# Altium PCB Mainboard.PcbDoc (part 1 of 2)
Units mm, origin at the board's own origin, x right, y up, seen from the top; angles counter-clockwise.
Board outline 100 x 200 mm, 2 copper layers (Top Layer, Bottom Layer); 139 components, 82 nets, 458 pads, 0 vias.
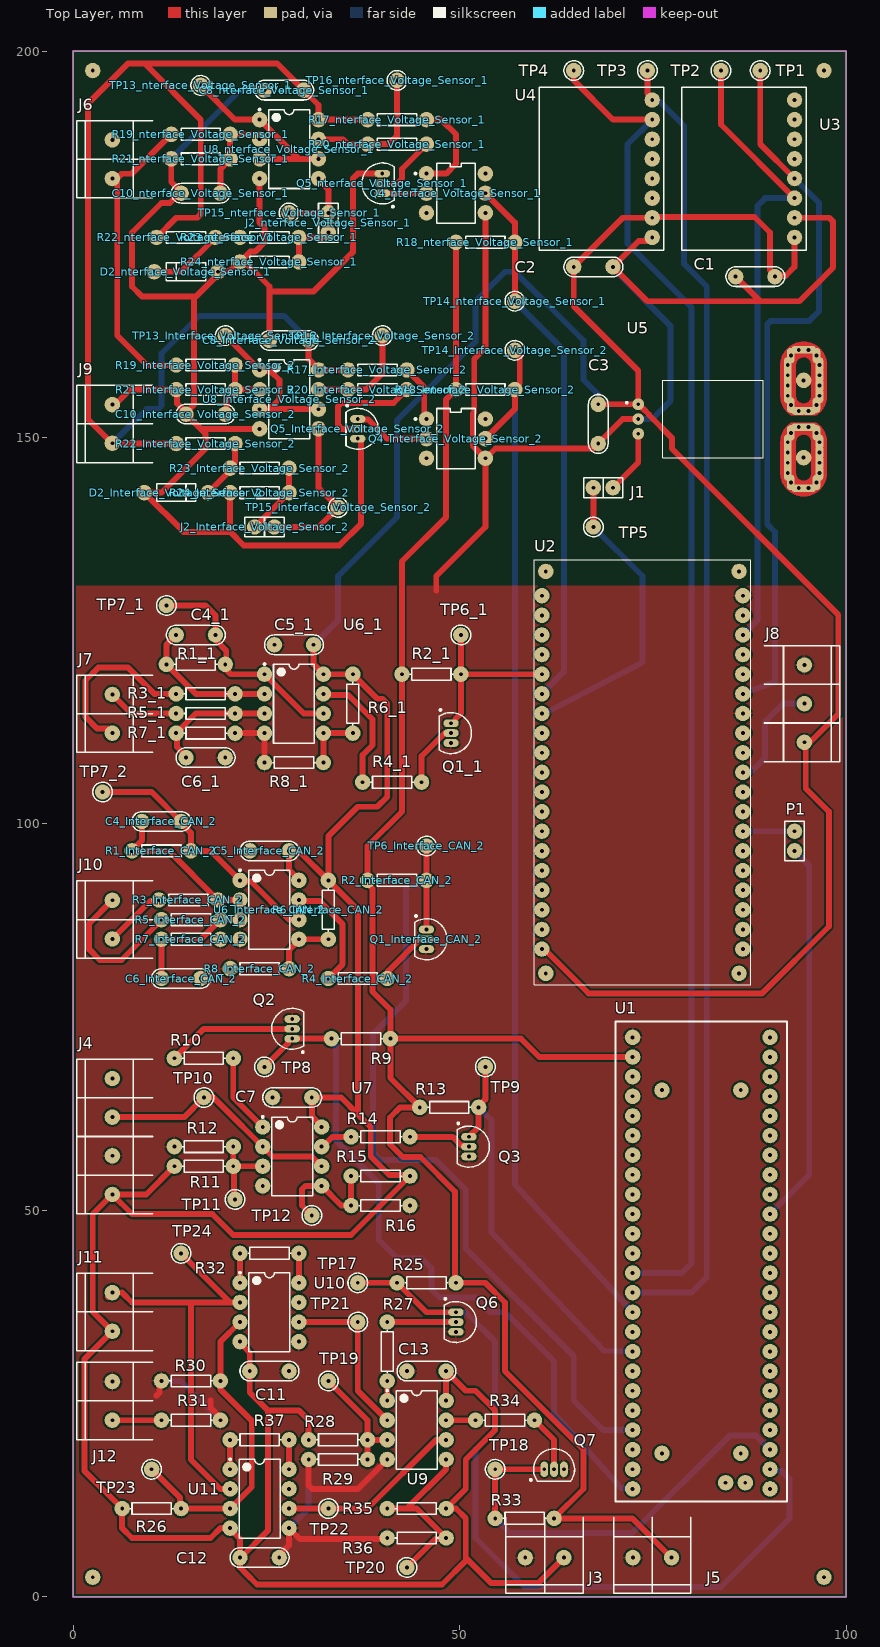
[diagram p0: Top Layer view]
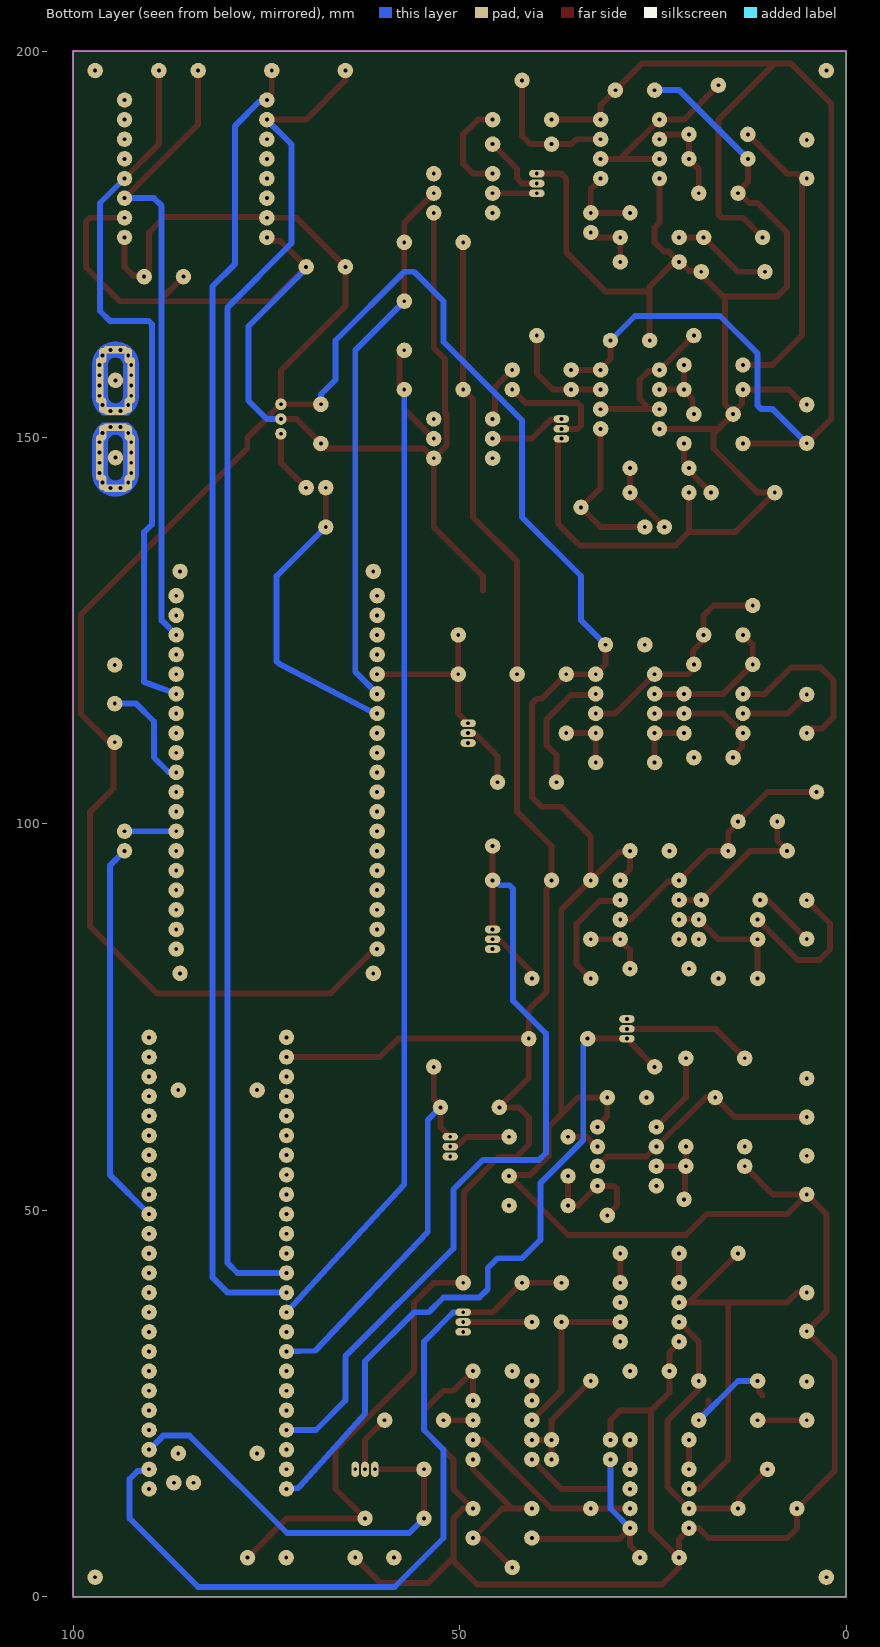
[diagram p1: Bottom Layer view, seen from below]

## Layer stack, top to bottom
Top Solder: solder mask 0.0102, Solder Resist, Dk 3.5
Top Layer: signal copper 0.0356
Dielectric 1: dielectric 0.32, FR-4, Dk 4.8
Bottom Layer: signal copper 0.0356
Bottom Solder: solder mask 0.0102, Solder Resist, Dk 3.5

## Board outline
0,0 0,200 100,200 100,0

## Design rules (kind name [scope] priority, off if disabled: settings)
Clearance [All] p1: gap=0.254 ignorepadtopadclearanceinfootprint=FALSE except(0: Arc-Hole Track-Hole SMDPad-Hole THPad-Hole Via-Hole Fill-Hole Poly-Hole Region-Hole Text-Hole; 0.5: Arc-Arc Arc-Track Track-Track)
MinimumSolderMaskSliver [All] p1: minsoldermaskwidth=0
PolygonConnect [All] p1: connectstyle=Relief reliefconductorwidth=0.254 reliefentries=4 polygonreliefangle="90 Angle" airgapwidth=0.254
RoutingVias [All] p1: holewidth=0.711 width=1.27 viastyle="Through Hole" minholewidth=0.711 minwidth=1.27 maxholewidth=0.711 maxwidth=1.27
SilkToSilkClearance [All] p1: silktosilkclearance=0.127
SilkToSolderMaskClearance [IsPad] p1: minsilkscreentomaskgap=0 clearancetoexposedcopper=TRUE
SolderMaskExpansion [All] p1: expansion=0.102 istentingtop=FALSE
Width [All] p1: maxlimit=1.016 minlimit=0.508 preferedwidth=0.762
27 further rules are at their usual default settings.

## Classes and differential pairs
component class U_Interface_Current_Sensor_2: C2 Q1 R6 R7 R8 TP3 TP6
channel class Interface_Voltage_Sensor_1: Interface_Voltage_Sensor_2 nterface_Voltage_Sensor_1
channel class Interface_CAN: Interface_CAN_1 Interface_CAN_2
component class Interface_CAN_1: C7 Q3 R14 R15 R16
component class U_Control_Processing_Unit: U1 U2
component class U_Connectors: J2 J3 J4 J5 J6 J8 J9 J10
component class Top_Level: P1
component class nterface_Voltage_Sensor_1: C16 C17 D3 D4 J13 Q9 Q10 R46 R47 R48 R49 R50 R51 R52 R53 TP27 TP28 TP29 TP30 U13
component class Interface_Voltage_Sensor_2: C14 C15 D1 D2 J10 Q8 R38 R39 R40 R41 R42 R43 R44 R45 TP7 TP24 TP25 TP26 U12
component class Interface_Current_Sensor_1: TP1 U3 U6
component class Interface_CAN_2: R1 R2 R3 R4 R5
component class Interface_Accelerometer_2: C5
component class Interface_Accelerometer_1: C4 U6
component class Interace_PT100: C2 C4 Q1 R1 R2 R3 R4 R5 R6 R7 R8 TP1 TP3 TP6 TP7 U3

## Components (designator, comment, footprint, x,y, rotation, side; value= is the part's Value field where it differs from the comment)
C1 "100nF" CAP200 88.265,170.815 r180 top
C2 "100nF" CAP200 67.31,172.085 r0 top
C3 "100nF" CAP200 67.945,151.765 r270 top
C4_1 "8.2nF" CAP200 15.875,124.46 r0 top
C4_Interface_CAN_2 "8.2nF" CAP200 11.43,100.33 r0 top
C5_1 "100nF" CAP200 28.575,123.19 r180 top
C5_Interface_CAN_2 "100nF" CAP200 25.4,96.52 r180 top
C6_1 "8.2nF" CAP200 17.145,108.585 r0 top
C6_Interface_CAN_2 "8.2nF" CAP200 13.97,80.01 r0 top
C7 "100nF" CAP200 28.345,64.606 r180 top (schematic designator C5)
C8_Interface_Voltage_Sensor_2 "100nF" CAP200 27.94,162.56 r180 top (schematic designator C8)
C8_nterface_Voltage_Sensor_1 "100nF" CAP200 27.305,194.945 r180 top (schematic designator C8)
C10_Interface_Voltage_Sensor_2 "820nF" CAP200 17.145,153.035 r180 top (schematic designator C10)
C10_nterface_Voltage_Sensor_1 "820nF" CAP200 16.51,181.61 r180 top (schematic designator C10)
C11 "100nF" CAP200 25.4,29.21 r0 top
C12 "100nF" CAP200 24.13,5.08 r0 top
C13 "100nF" CAP200 45.72,29.21 r180 top
D2_Interface_Voltage_Sensor_2 "1N829A" FP-DO-35-MFG 13.335,142.875 r180 top (schematic designator D2)
D2_nterface_Voltage_Sensor_1 "1N829A" FP-DO-35-MFG 14.605,171.45 r0 top (schematic designator D2)
J1 "JUMPER" JUMPER2 68.58,143.51 r180 top
J2_Interface_Voltage_Sensor_2 "JUMPER" JUMPER2 24.765,138.43 r0 top (schematic designator J2)
J2_nterface_Voltage_Sensor_1 "JUMPER" JUMPER2 33.02,177.8 r90 top (schematic designator J2)
J3 "BORNERA 2" BORNERA2 61,5.08 r90 top
J4 "BORNERA 4" BORNERA4 5.08,59.57 r0 top
J5 "BORNERA 2" BORNERA2 74.93,5.08 r90 top
J6 "BORNERA 2" BORNERA2 5.08,186.015 r0 top
J7 "BORNERA 2" BORNERA2 5.08,114.26 r0 top
J8 "BORNERA 3" BORNERA3 94.615,115.57 r180 top
J9 "BORNERA 2" BORNERA2 5.08,151.765 r0 top
J10 "BORNERA 2" BORNERA2 5.08,87.63 r0 top
J11 "BORNERA 2" BORNERA2 5.08,36.87 r0 top
J12 "BORNERA 2" BORNERA2 5.08,25.36 r0 top
P1 "Header 2" HDR1X2 93.345,96.52 r90 top
Q1_1 "BC548B" TO-226-AA 48.895,111.76 r180 top
Q1_Interface_CAN_2 "BC548B" TO-226-AA 45.72,85.09 r180 top
Q2 "BC548B" TO-226-AA 28.345,73.496 r0 top
Q3 "BC548B" TO-226-AA 51.205,58.256 r180 top (schematic designator Q1)
Q4_Interface_Voltage_Sensor_2 "4N25" FP-4N25-MFG 49.53,149.86 r0 top (schematic designator Q4)
Q4_nterface_Voltage_Sensor_1 "4N25" FP-4N25-MFG 49.53,181.61 r0 top (schematic designator Q4)
Q5_Interface_Voltage_Sensor_2 "BC548B" TO-226-AA 36.83,151.13 r180 top (schematic designator Q5)
Q5_nterface_Voltage_Sensor_1 "BC548B" TO-226-AA 40.005,182.88 r0 top (schematic designator Q5)
Q6 "BC548B" TO-226-AA 49.53,35.56 r180 top
Q7 "BC548B" TO-226-AA 62.23,16.51 r270 top
R1_1 "Res1" AXIAL-0.3 15.875,120.65 r0 top value=1K
R1_Interface_CAN_2 "Res1" AXIAL-0.3 11.43,96.52 r0 top value=1K
R2_1 "Res1" AXIAL-0.3 46.355,119.38 r180 top value=500K
R2_Interface_CAN_2 "Res1" AXIAL-0.3 41.91,92.71 r180 top value=500K
R3_1 "Res1" AXIAL-0.3 17.145,116.84 r0 top value=1K
R3_Interface_CAN_2 "Res1" AXIAL-0.3 14.914,90.17 r0 top value=1K
R4_1 "Res1" AXIAL-0.3 41.275,105.41 r0 top value=1K
R4_Interface_CAN_2 "Res1" AXIAL-0.3 36.83,80.01 r0 top value=1K
R5_1 "Res1" AXIAL-0.3 17.145,114.3 r0 top value=1K
R5_Interface_CAN_2 "Res1" AXIAL-0.3 15.24,87.63 r0 top value=1K
R6_1 "Res1" AXIAL-0.3 36.195,115.57 r270 top value=30K
R6_Interface_CAN_2 "Res1" AXIAL-0.3 33.02,88.9 r270 top value=30K
R7_1 "Res1" AXIAL-0.3 17.145,111.76 r180 top value=1K
R7_Interface_CAN_2 "Res1" AXIAL-0.3 15.24,85.09 r180 top value=1K
R8_1 "Res1" AXIAL-0.3 28.575,107.95 r180 top value=10K
R8_Interface_CAN_2 "Res1" AXIAL-0.3 24.13,81.28 r180 top value=10K
R9 "Res1" AXIAL-0.3 37.235,72.226 r0 top value=500K
R10 "Res1" AXIAL-0.3 16.915,69.686 r180 top value=1K
R11 "Res1" AXIAL-0.3 16.915,55.716 r0 top value=30k
R12 "Res1" AXIAL-0.3 16.915,58.256 r0 top value=20k
R13 "Res1" AXIAL-0.3 48.665,63.336 r180 top value=500K
R14 "Res1" AXIAL-0.3 39.775,59.526 r0 top value=1K (schematic designator R1)
R15 "Res1" AXIAL-0.3 39.775,54.446 r180 top value=500K (schematic designator R2)
R16 "Res1" AXIAL-0.3 39.775,50.636 r180 top value=1K (schematic designator R3)
R17_Interface_Voltage_Sensor_2 "Res1" AXIAL-0.3 39.37,158.75 r180 top value=100k (schematic designator R17)
R17_nterface_Voltage_Sensor_1 "Res1" AXIAL-0.3 41.91,191.135 r180 top value=100k (schematic designator R17)
R18_Interface_Voltage_Sensor_2 "Res1" AXIAL-0.3 53.34,156.21 r180 top value=500K (schematic designator R18)
R18_nterface_Voltage_Sensor_1 "Res1" AXIAL-0.3 53.34,175.26 r180 top value=500K (schematic designator R18)
R19_Interface_Voltage_Sensor_2 "5W" AXIAL-0.3 17.145,159.385 r0 top value=1k (schematic designator R19)
R19_nterface_Voltage_Sensor_1 "5W" AXIAL-0.3 16.51,189.23 r0 top value=1k (schematic designator R19)
R20_Interface_Voltage_Sensor_2 "Res1" AXIAL-0.3 39.37,156.21 r0 top value=1K (schematic designator R20)
R20_nterface_Voltage_Sensor_1 "Res1" AXIAL-0.3 41.91,187.96 r0 top value=1K (schematic designator R20)
R21_Interface_Voltage_Sensor_2 "2W" AXIAL-0.3 17.145,156.21 r0 top value=10 (schematic designator R21)
R21_nterface_Voltage_Sensor_1 "2W" AXIAL-0.3 16.51,186.055 r0 top value=10 (schematic designator R21)
R22_Interface_Voltage_Sensor_2 "Res1" AXIAL-0.3 17.145,149.225 r0 top value=510 (schematic designator R22)
R22_nterface_Voltage_Sensor_1 "Res1" AXIAL-0.3 14.605,175.895 r0 top value=510 (schematic designator R22)
R23_Interface_Voltage_Sensor_2 "Res1" AXIAL-0.3 24.13,146.05 r0 top value=820 (schematic designator R23)
R23_nterface_Voltage_Sensor_1 "Res1" AXIAL-0.3 25.4,175.895 r0 top value=820 (schematic designator R23)
R24_Interface_Voltage_Sensor_2 "Res1" AXIAL-0.3 24.13,142.875 r0 top value=390 (schematic designator R24)
R24_nterface_Voltage_Sensor_1 "Res1" AXIAL-0.3 25.4,172.72 r0 top value=390 (schematic designator R24)
R25 "Res1" AXIAL-0.3 45.72,40.64 r0 top value=500K
R26 "Res1" AXIAL-0.3 10.16,11.43 r180 top value=1K
R27 "Res1" AXIAL-0.3 40.64,31.75 r90 top value=1K
R28 "Res1" AXIAL-0.3 34.29,20.32 r0 top value=30k
R29 "Res1" AXIAL-0.3 34.29,17.78 r0 top value=20k
R30 "Res1" AXIAL-0.3 15.24,27.94 r0 top value=1K
R31 "Res1" AXIAL-0.3 15.24,22.86 r180 top value=1K
R32 "Res1" AXIAL-0.3 25.4,44.45 r0 top value=100k
R33 "Res1" AXIAL-0.3 58.42,10.16 r0 top value=500K
R34 "Res1" AXIAL-0.3 55.88,22.86 r0 top value=1K
R35 "Res1" AXIAL-0.3 44.45,11.43 r180 top value=30k
R36 "Res1" AXIAL-0.3 44.45,7.62 r0 top value=20k
R37 "Res1" AXIAL-0.3 24.13,20.32 r0 top value=100k
TP1 "5003" KSTN-5003 88.9,197.485 r90 top
TP2 "5003" KSTN-5003 83.82,197.485 r90 top
TP3 "5003" KSTN-5003 74.295,197.485 r0 top
TP4 "5003" KSTN-5003 64.77,197.485 r0 top
TP5 "5003" KSTN-5003 67.31,138.43 r0 top
TP6_1 "5003" KSTN-5003 50.165,124.46 r90 top
TP6_Interface_CAN_2 "5003" KSTN-5003 45.72,97.155 r90 top
TP7_1 "5003" KSTN-5003 12.065,128.27 r90 top
TP7_2 "5003" KSTN-5003 3.81,104.14 r90 top
TP8 "5003" KSTN-5003 24.765,68.58 r90 top
TP9 "5003" KSTN-5003 53.34,68.58 r270 top
TP10 "5003" KSTN-5003 16.915,64.606 r90 top
TP11 "5003" KSTN-5003 20.955,51.435 r90 top
TP12 "5003" KSTN-5003 30.885,49.366 r90 top
TP13_Interface_Voltage_Sensor_2 "5003" KSTN-5003 19.685,163.195 r90 top (schematic designator TP13)
TP13_nterface_Voltage_Sensor_1 "5003" KSTN-5003 16.51,195.58 r270 top (schematic designator TP13)
TP14_Interface_Voltage_Sensor_2 "5003" KSTN-5003 57.15,161.29 r90 top (schematic designator TP14)
TP14_nterface_Voltage_Sensor_1 "5003" KSTN-5003 57.15,167.64 r270 top (schematic designator TP14)
TP15_Interface_Voltage_Sensor_2 "5003" KSTN-5003 34.29,140.97 r90 top (schematic designator TP15)
TP15_nterface_Voltage_Sensor_1 "5003" KSTN-5003 27.94,179.07 r270 top (schematic designator TP15)
TP16_Interface_Voltage_Sensor_2 "5003" KSTN-5003 40.005,163.195 r90 top (schematic designator TP16)
TP16_nterface_Voltage_Sensor_1 "5003" KSTN-5003 41.91,196.215 r270 top (schematic designator TP16)
TP17 "5003" KSTN-5003 36.83,40.64 r90 top
TP18 "5003" KSTN-5003 54.61,16.51 r90 top
TP19 "5003" KSTN-5003 33.02,27.94 r90 top
TP20 "5003" KSTN-5003 43.18,3.81 r90 top
TP21 "5003" KSTN-5003 36.83,35.56 r90 top
TP22 "5003" KSTN-5003 33.02,11.43 r90 top
TP23 "5003" KSTN-5003 10.16,16.51 r90 top
TP24 "5003" KSTN-5003 13.97,44.45 r90 top
U1 "UPDUINO" UPDUINO 72.39,72.39 r0 top
U2 "ESP32_NODEMCU" MODULE_ESP32_NODEMCU 73.66,106.68 r0 top
U3 "GY-521 MPU6050" "GY-521 MPU6050" 93.345,175.895 r180 top
U4 "ADXL345 Arduino" "GY-521 MPU6050" 74.93,175.895 r180 top
U5 "ACS772LCB-100U-PFF-T" XDCR_ACS772LCB-100U-PFF-T 83.82,152.4 r270 top
U6_1 "LM358AP" P0008A 28.575,115.57 r0 top
U6_Interface_CAN_2 "LM358AP" P0008A 25.4,88.9 r0 top
U7 "LM358AP" P0008A 28.345,56.986 r0 top
U8_Interface_Voltage_Sensor_2 "LM358AP" P0008A 27.94,154.94 r0 top (schematic designator U8)
U8_nterface_Voltage_Sensor_1 "LM358AP" P0008A 27.94,187.325 r0 top (schematic designator U8)
U9 "LM358AP" P0008A 44.45,21.59 r0 top
U10 "INA122P" P0008A 25.4,36.83 r0 top
U11 "INA122P" P0008A 24.13,12.7 r0 top

## Footprints (in the part's own frame and the unit in brackets; to place one, negate y for a bottom-side part, rotate by r counter-clockwise, add the part's x,y. Pads: shape width x height; smd on the part's side, far side on the other; paste and mask are expansions set on the pad)
AXIAL-0.3 [mm] "Axial Device, Thru-Hole; 2 Leads; 0.3 in Pin Spacing"
  round 2 hole 0.5: 1(-3.81,0) 2(3.81,0)
  silkscreen extent -2.77,-0.76 2.77,0.76
BORNERA2 [mm] "Bornera con Tornillos 5mm separación"
  round 2 hole 0.5: 1(0,2.5) 2(0,-2.5)
  silkscreen extent -4.6,-5 5.2,5, body extent -3.76,-4.89 3.94,5.61, height 10
BORNERA3 [mm] "Bornera con Tornillos 5mm separación"
  round 2 hole 0.5: 1(0,5) 2(0,0) 3(0,-5)
  silkscreen extent -4.6,-7.5 5.2,7.5, body extent -3.76,-7.39 3.94,8.11, height 10.05
BORNERA4 [mm] "Bornera con Tornillos 5mm separación"
  round 2 hole 0.5: 1(0,7.5) 2(0,2.5) 3(0,-2.5) 4(0,-7.5)
  silkscreen extent -4.6,-10 5.2,10, body extent -3.76,-9.89 3.94,10.61, height 10
CAP200 [mm]
  round 2 hole 0.5: 1(-2.54,0) 2(2.54,0)
  silkscreen extent -3.81,-1.27 3.81,1.27, body extent -2.79,-1.17 2.79,1.12, height 6.24
FP-4N25-MFG [mm]
  round 2 hole 0.5: 1(-3.81,2.54) 2(-3.81,0) 3(-3.81,-2.54) 4(3.81,-2.54) 5(3.81,0) 6(3.81,2.54)
  silkscreen extent -5.36,-3.9 2.5,3.9, body extent -4.58,-4 4.58,4, height 0.25
FP-DO-35-MFG [mm]
  round 2 hole 0.5: 1(-4.12,0) 2(4.12,0)
  silkscreen extent -3.1,-1.14 3.1,1.14, body extent -4.84,-1.24 4.84,1.24, height 0.25
"GY-521 MPU6050" [mm]
  round 2 hole 0.5: 1(0,0) 2(0,-2.54) 3(0,-5.08) 4(0,-7.62) 5(0,-10.16) 6(0,-12.7) 7(0,-15.24) 8(0,-17.78)
  silkscreen extent -1.49,-19.43 14.61,1.65
HDR1X2 [mm] "Connector; Header; 2 Position"
  round 2 hole 0.5: 1(0,0) 2(2.54,0)
  silkscreen extent -1.27,-1.27 3.81,1.27
JUMPER2 [mm]
  round 2 hole 0.5: 1(-1.27,0) 2(1.27,0)
  silkscreen extent -2.54,-1.27 2.54,1.27, body extent -2.46,-1.27 2.54,1.27, height 9.5
KSTN-5003 [mm] "Test Point, Through Hole, Dia 2.54mm"
  round 2 hole 0.5: 1(0,0)
  silkscreen extent -1.27,-1.27 1.27,1.27, body extent -1.27,-1.27 1.27,1.27, height 4.57
MODULE_ESP32_NODEMCU [mm]
  round 2 hole 0.5: J4_1(13,22.86) J4_2(13,20.32) J4_3(13,17.78) J4_4(13,15.24) J4_5(13,12.7) J4_6(13,10.16) J4_7(13,7.62) J4_8(13,5.08) J4_9(13,2.54) J4_10(13,0) J4_11(13,-2.54) J4_12(13,-5.08) J4_13(13,-7.62) J4_14(13,-10.16) J4_15(13,-12.7) J4_16(13,-15.24) J4_17(13,-17.78) J4_18(13,-20.32) J4_19(13,-22.86) J5_1(-13,-22.86) J5_2(-13,-20.32) J5_3(-13,-17.78) J5_4(-13,-15.24) J5_5(-13,-12.7) J5_6(-13,-10.16) J5_7(-13,-7.62) J5_8(-13,-5.08) J5_9(-13,-2.54) J5_10(-13,0) J5_11(-13,2.54) J5_12(-13,5.08) J5_13(-13,7.62) J5_14(-13,10.16) J5_15(-13,12.7) J5_16(-13,15.24) J5_17(-13,17.78) J5_18(-13,20.32) J5_19(-13,22.86) ""(-12.5,-26) ""(-12.5,26) ""(12.5,-26) ""(12.5,26)
  silkscreen extent -14,-27.5 14,27.5, body extent -14.25,-28.15 14.25,27.5, height 7.05
P0008A [mm] "DIP, 8-Leads, Body 10.15x6.6mm, Pitch 2.54mm"
  round 2 hole 0.5: 1(-3.81,3.81) 2(-3.81,1.27) 3(-3.81,-1.27) 4(-3.81,-3.81) 5(3.81,-3.81) 6(3.81,-1.27) 7(3.81,1.27) 8(3.81,3.81)
  silkscreen extent -3.93,-5.1 2.65,5.23, body extent -3.95,-5.07 3.95,5.07, height 5.08
TO-226-AA [mm] "TO, Flat Index; 3 In-Line, Axial Leads; Body Dia. 4.8mm; Leads 0.55 x 0.51 mm (max)"
  oval 2x1 hole 0.5: 1(0,-1.27) 2(0,0) 3(0,1.27)
  silkscreen extent -2.65,-3.13 1.52,2.65, body extent -2.65,-2.66 1.52,2.66, height 5.33
UPDUINO [mm]
  round 2 hole 0.5: 1(0,0) 2(0,-2.54) 3(0,-5.08) 4(0,-7.62) 5(0,-10.16) 6(0,-12.7) 7(0,-15.24) 8(0,-17.78) 9(0,-20.32) 10(0,-22.86) 11(0,-25.4) 12(0,-27.94) 13(0,-30.48) 14(0,-33.02) 15(0,-35.56) 16(0,-38.1) 17(0,-40.64) 18(0,-43.18) 19(0,-45.72) 20(0,-48.26) 21(0,-50.8) 22(0,-53.34) 23(0,-55.88) 24(0,-58.42) 25(17.78,-58.42) 26(17.78,-55.88) 27(17.78,-53.34) 28(17.78,-50.8) 29(17.78,-48.26) 30(17.78,-45.72) 31(17.78,-43.18) 32(17.78,-40.64) 33(17.78,-38.1) 34(17.78,-35.56) 35(17.78,-33.02) 36(17.78,-30.48) 37(17.78,-27.94) 38(17.78,-25.4) 39(17.78,-22.86) 40(17.78,-20.32) 41(17.78,-17.78) 42(17.78,-15.24) 43(17.78,-12.7) 44(17.78,-10.16) 45(17.78,-7.62) 46(17.78,-5.08) 47(17.78,-2.54) 48(17.78,0) 49(12.04,-57.62) 50(14.58,-57.62) Un1(3.8,-53.82) Un1(3.8,-6.82) Un1(14,-53.82) Un1(14,-6.82)
  silkscreen extent -2.22,-60.07 20,2.03, body extent -2.29,-60.07 20.07,3.42, height 2.93
XDCR_ACS772LCB-100U-PFF-T [mm]
  round 1.5 hole 0.5: 1(-1.91,-10.7) 2(0,-10.7) 3(1.91,-10.7)
  round 2 hole 0.5: 4(5,10.7) 5(-5,10.7)
  oval 2x1 hole 0.5: 4_1(3,8.65) 4_2(4.33,8.65) 4_3(5.66,8.65) 4_4(6.99,8.65) 4_5(8.205,9.042) 4_8(8.205,12.358) 4_9(6.99,12.75) 4_10(5.66,12.75) 4_11(4.33,12.75) 4_12(3,12.75) 4_13(1.795,12.358) 4_16(1.795,9.042) 5_1(-7,8.65) 5_2(-5.67,8.65) 5_3(-4.34,8.65) 5_4(-3.01,8.65) 5_5(-8.205,9.042) 5_8(-8.205,12.358) 5_9(-7,12.75) 5_10(-5.67,12.75) 5_11(-4.34,12.75) 5_12(-3.01,12.75) 5_13(-1.795,12.358) 5_16(-1.795,9.042)
  oval 1x2 hole 0.5: 4_6(8.95,10.067) 4_7(8.95,11.333) 4_14(1.05,11.333) 4_15(1.05,10.067) 5_6(-8.95,11.333) 5_7(-8.95,10.067) 5_14(-1.05,11.333) 5_15(-1.05,10.067)
  Top Layer region: -5,11.7 -7,11.7 -7.052,11.699 -7.105,11.695 -7.156,11.688 -7.208,11.678 -7.259,11.666 -7.309,11.651 -7.358,11.634 -7.407,11.614 -7.454,11.591 -7.5,11.566 -7.545,11.539 -7.588,11.509 -7.629,11.477 -7.669,11.443 -7.707,11.407 -7.743,11.369 -7.777,11.329 -7.809,11.288 -7.839,11.245 -7.866,11.2 -7.891,11.154 -7.914,11.107 -7.934,11.058 -7.951,11.009 -7.966,10.959 -7.978,10.908 -7.988,10.856 -7.995,10.805 -7.999,10.752 -8,10.7 -7.999,10.648 -7.995,10.595 -7.988,10.544 -7.978,10.492 -7.966,10.441 -7.951,10.391 -7.934,10.342 -7.914,10.293 -7.891,10.246 -7.866,10.2 -7.839,10.155 -7.809,10.112 -7.777,10.071 -7.743,10.031 -7.707,9.993 -7.669,9.957 -7.629,9.923 -7.588,9.891 -7.545,9.861 -7.5,9.834 -7.454,9.809 -7.407,9.786 -7.358,9.766 -7.309,9.749 -7.259,9.734 -7.208,9.722 -7.156,9.712 -7.105,9.705 -7.052,9.701 -7,9.7 -5,9.7 -5,7.7 -7,7.7 -7.157,7.704 -7.314,7.716 -7.469,7.737 -7.624,7.766 -7.776,7.802 -7.927,7.847 -8.075,7.899 -8.22,7.959 -8.362,8.027 -8.5,8.102 -8.634,8.184 -8.763,8.273 -8.888,8.369 -9.007,8.471 -9.121,8.579 -9.229,8.693 -9.331,8.812 -9.427,8.937 -9.516,9.066 -9.598,9.2 -9.673,9.338 -9.741,9.48 -9.801,9.625 -9.853,9.773 -9.898,9.924 -9.934,10.076 -9.963,10.231 -9.984,10.386 -9.996,10.543 -10,10.7 -9.996,10.857 -9.984,11.014 -9.963,11.169 -9.934,11.324 -9.898,11.476 -9.853,11.627 -9.801,11.775 -9.741,11.92 -9.673,12.062 -9.598,12.2 -9.516,12.334 -9.427,12.463 -9.331,12.588 -9.229,12.707 -9.121,12.821 -9.007,12.929 -8.888,13.031 -8.763,13.127 -8.634,13.216 -8.5,13.298 -8.362,13.373 -8.22,13.441 -8.075,13.501 -7.927,13.553 -7.776,13.598 -7.624,13.634 -7.469,13.663 -7.314,13.684 -7.157,13.696 -7,13.7 -5,13.7
  Top Layer region: -2.911,13.7 -2.812,13.697 -2.714,13.69 -2.616,13.68 -2.518,13.667 -2.421,13.65 -2.324,13.631 -2.228,13.608 -2.133,13.581 -2.039,13.552 -1.945,13.519 -1.853,13.483 -1.763,13.445 -1.673,13.403 -1.585,13.358 -1.499,13.31 -1.414,13.259 -1.331,13.206 -1.25,13.15 -1.171,13.091 -1.094,13.029 -1.019,12.965 -0.946,12.898 -0.876,12.829 -0.808,12.758 -0.742,12.684 -0.679,12.608 -0.618,12.53 -0.56,12.45 -0.5,12.36 -0.5,9.04 -0.56,8.95 -0.618,8.87 -0.679,8.792 -0.742,8.716 -0.808,8.642 -0.876,8.571 -0.946,8.502 -1.019,8.435 -1.094,8.371 -1.171,8.309 -1.25,8.25 -1.331,8.194 -1.414,8.141 -1.499,8.09 -1.585,8.042 -1.673,7.997 -1.763,7.955 -1.853,7.917 -1.945,7.881 -2.039,7.848 -2.133,7.819 -2.228,7.792 -2.324,7.769 -2.421,7.75 -2.518,7.733 -2.616,7.72 -2.714,7.71 -2.812,7.703 -2.911,7.7 -3,7.7 -5,7.7 -5,9.7 -3,9.7 -2.948,9.701 -2.895,9.705 -2.844,9.712 -2.792,9.722 -2.741,9.734 -2.691,9.749 -2.642,9.766 -2.593,9.786 -2.546,9.809 -2.5,9.834 -2.455,9.861 -2.412,9.891 -2.371,9.923 -2.331,9.957 -2.293,9.993 -2.257,10.031 -2.223,10.071 -2.191,10.112 -2.161,10.155 -2.134,10.2 -2.109,10.246 -2.086,10.293 -2.066,10.342 -2.049,10.391 -2.034,10.441 -2.022,10.492 -2.012,10.544 -2.005,10.595 -2.001,10.648 -2,10.7 -2.001,10.752 -2.005,10.805 -2.012,10.856 -2.022,10.908 -2.034,10.959 -2.049,11.009 -2.066,11.058 -2.086,11.107 -2.109,11.154 -2.134,11.2 -2.161,11.245 -2.191,11.288 -2.223,11.329 -2.257,11.369 -2.293,11.407 -2.331,11.443 -2.371,11.477 -2.412,11.509 -2.455,11.539 -2.5,11.566 -2.546,11.591 -2.593,11.614 -2.642,11.634 -2.691,11.651 -2.741,11.666 -2.792,11.678 -2.844,11.688 -2.895,11.695 -2.948,11.699 -3,11.7 -5,11.7 -5,13.7 -3,13.7
  Top Layer region: 7.157,13.696 7.314,13.684 7.469,13.663 7.624,13.634 7.776,13.598 7.927,13.553 8.075,13.501 8.22,13.441 8.362,13.373 8.5,13.298 8.634,13.216 8.763,13.127 8.888,13.031 9.007,12.929 9.121,12.821 9.229,12.707 9.331,12.588 9.427,12.463 9.516,12.334 9.598,12.2 9.673,12.062 9.741,11.92 9.801,11.775 9.853,11.627 9.898,11.476 9.934,11.324 9.963,11.169 9.984,11.014 9.996,10.857 10,10.7 9.996,10.543 9.984,10.386 9.963,10.231 9.934,10.076 9.898,9.924 9.853,9.773 9.801,9.625 9.741,9.48 9.673,9.338 9.598,9.2 9.516,9.066 9.427,8.937 9.331,8.812 9.229,8.693 9.121,8.579 9.007,8.471 8.888,8.369 8.763,8.273 8.634,8.184 8.5,8.102 8.362,8.027 8.22,7.959 8.075,7.899 7.927,7.847 7.776,7.802 7.624,7.766 7.469,7.737 7.314,7.716 7.157,7.704 7,7.7 5,7.7 5,9.7 7,9.7 7.052,9.701 7.105,9.705 7.156,9.712 7.208,9.722 7.259,9.734 7.309,9.749 7.358,9.766 7.407,9.786 7.454,9.809 7.5,9.834 7.545,9.861 7.588,9.891 7.629,9.923 7.669,9.957 7.707,9.993 7.743,10.031 7.777,10.071 7.809,10.112 7.839,10.155 7.866,10.2 7.891,10.246 7.914,10.293 7.934,10.342 7.951,10.391 7.966,10.441 7.978,10.492 7.988,10.544 7.995,10.595 7.999,10.648 8,10.7 7.999,10.752 7.995,10.805 7.988,10.856 7.978,10.908 7.966,10.959 7.951,11.009 7.934,11.058 7.914,11.107 7.891,11.154 7.866,11.2 7.839,11.245 7.809,11.288 7.777,11.329 7.743,11.369 7.707,11.407 7.669,11.443 7.629,11.477 7.588,11.509 7.545,11.539 7.5,11.566 7.454,11.591 7.407,11.614 7.358,11.634 7.309,11.651 7.259,11.666 7.208,11.678 7.156,11.688 7.105,11.695 7.052,11.699 7,11.7 5,11.7 5,13.7 7,13.7
  Top Layer region: 5,11.7 3,11.7 2.948,11.699 2.895,11.695 2.844,11.688 2.792,11.678 2.741,11.666 2.691,11.651 2.642,11.634 2.593,11.614 2.546,11.591 2.5,11.566 2.455,11.539 2.412,11.509 2.371,11.477 2.331,11.443 2.293,11.407 2.257,11.369 2.223,11.329 2.191,11.288 2.161,11.245 2.134,11.2 2.109,11.154 2.086,11.107 2.066,11.058 2.049,11.009 2.034,10.959 2.022,10.908 2.012,10.856 2.005,10.805 2.001,10.752 2,10.7 2.001,10.648 2.005,10.595 2.012,10.544 2.022,10.492 2.034,10.441 2.049,10.391 2.066,10.342 2.086,10.293 2.109,10.246 2.134,10.2 2.161,10.155 2.191,10.112 2.223,10.071 2.257,10.031 2.293,9.993 2.331,9.957 2.371,9.923 2.412,9.891 2.455,9.861 2.5,9.834 2.546,9.809 2.593,9.786 2.642,9.766 2.691,9.749 2.741,9.734 2.792,9.722 2.844,9.712 2.895,9.705 2.948,9.701 3,9.7 5,9.7 5,7.7 3,7.7 2.911,7.7 2.812,7.703 2.714,7.71 2.616,7.72 2.518,7.733 2.421,7.75 2.324,7.769 2.228,7.792 2.133,7.819 2.039,7.848 1.945,7.881 1.853,7.917 1.763,7.955 1.673,7.997 1.585,8.042 1.499,8.09 1.414,8.141 1.331,8.194 1.25,8.25 1.171,8.309 1.094,8.371 1.019,8.435 0.946,8.502 0.876,8.571 0.808,8.642 0.742,8.716 0.679,8.792 0.618,8.87 0.56,8.95 0.5,9.04 0.5,12.36 0.56,12.45 0.618,12.53 0.679,12.608 0.742,12.684 0.808,12.758 0.876,12.829 0.946,12.898 1.019,12.965 1.094,13.029 1.171,13.091 1.25,13.15 1.331,13.206 1.414,13.259 1.499,13.31 1.585,13.358 1.673,13.403 1.763,13.445 1.853,13.483 1.945,13.519 2.039,13.552 2.133,13.581 2.228,13.608 2.324,13.631 2.421,13.65 2.518,13.667 2.616,13.68 2.714,13.69 2.812,13.697 2.911,13.7 3,13.7 5,13.7
  Bottom Layer region: -5,11.7 -7,11.7 -7.052,11.699 -7.105,11.695 -7.156,11.688 -7.208,11.678 -7.259,11.666 -7.309,11.651 -7.358,11.634 -7.407,11.614 -7.454,11.591 -7.5,11.566 -7.545,11.539 -7.588,11.509 -7.629,11.477 -7.669,11.443 -7.707,11.407 -7.743,11.369 -7.777,11.329 -7.809,11.288 -7.839,11.245 -7.866,11.2 -7.891,11.154 -7.914,11.107 -7.934,11.058 -7.951,11.009 -7.966,10.959 -7.978,10.908 -7.988,10.856 -7.995,10.805 -7.999,10.752 -8,10.7 -7.999,10.648 -7.995,10.595 -7.988,10.544 -7.978,10.492 -7.966,10.441 -7.951,10.391 -7.934,10.342 -7.914,10.293 -7.891,10.246 -7.866,10.2 -7.839,10.155 -7.809,10.112 -7.777,10.071 -7.743,10.031 -7.707,9.993 -7.669,9.957 -7.629,9.923 -7.588,9.891 -7.545,9.861 -7.5,9.834 -7.454,9.809 -7.407,9.786 -7.358,9.766 -7.309,9.749 -7.259,9.734 -7.208,9.722 -7.156,9.712 -7.105,9.705 -7.052,9.701 -7,9.7 -5,9.7 -5,7.7 -7,7.7 -7.157,7.704 -7.314,7.716 -7.469,7.737 -7.624,7.766 -7.776,7.802 -7.927,7.847 -8.075,7.899 -8.22,7.959 -8.362,8.027 -8.5,8.102 -8.634,8.184 -8.763,8.273 -8.888,8.369 -9.007,8.471 -9.121,8.579 -9.229,8.693 -9.331,8.812 -9.427,8.937 -9.516,9.066 -9.598,9.2 -9.673,9.338 -9.741,9.48 -9.801,9.625 -9.853,9.773 -9.898,9.924 -9.934,10.076 -9.963,10.231 -9.984,10.386 -9.996,10.543 -10,10.7 -9.996,10.857 -9.984,11.014 -9.963,11.169 -9.934,11.324 -9.898,11.476 -9.853,11.627 -9.801,11.775 -9.741,11.92 -9.673,12.062 -9.598,12.2 -9.516,12.334 -9.427,12.463 -9.331,12.588 -9.229,12.707 -9.121,12.821 -9.007,12.929 -8.888,13.031 -8.763,13.127 -8.634,13.216 -8.5,13.298 -8.362,13.373 -8.22,13.441 -8.075,13.501 -7.927,13.553 -7.776,13.598 -7.624,13.634 -7.469,13.663 -7.314,13.684 -7.157,13.696 -7,13.7 -5,13.7
  Bottom Layer region: -2.911,13.7 -2.812,13.697 -2.714,13.69 -2.616,13.68 -2.518,13.667 -2.421,13.65 -2.324,13.631 -2.228,13.608 -2.133,13.581 -2.039,13.552 -1.945,13.519 -1.853,13.483 -1.763,13.445 -1.673,13.403 -1.585,13.358 -1.499,13.31 -1.414,13.259 -1.331,13.206 -1.25,13.15 -1.171,13.091 -1.094,13.029 -1.019,12.965 -0.946,12.898 -0.876,12.829 -0.808,12.758 -0.742,12.684 -0.679,12.608 -0.618,12.53 -0.56,12.45 -0.5,12.36 -0.5,9.04 -0.56,8.95 -0.618,8.87 -0.679,8.792 -0.742,8.716 -0.808,8.642 -0.876,8.571 -0.946,8.502 -1.019,8.435 -1.094,8.371 -1.171,8.309 -1.25,8.25 -1.331,8.194 -1.414,8.141 -1.499,8.09 -1.585,8.042 -1.673,7.997 -1.763,7.955 -1.853,7.917 -1.945,7.881 -2.039,7.848 -2.133,7.819 -2.228,7.792 -2.324,7.769 -2.421,7.75 -2.518,7.733 -2.616,7.72 -2.714,7.71 -2.812,7.703 -2.911,7.7 -3,7.7 -5,7.7 -5,9.7 -3,9.7 -2.948,9.701 -2.895,9.705 -2.844,9.712 -2.792,9.722 -2.741,9.734 -2.691,9.749 -2.642,9.766 -2.593,9.786 -2.546,9.809 -2.5,9.834 -2.455,9.861 -2.412,9.891 -2.371,9.923 -2.331,9.957 -2.293,9.993 -2.257,10.031 -2.223,10.071 -2.191,10.112 -2.161,10.155 -2.134,10.2 -2.109,10.246 -2.086,10.293 -2.066,10.342 -2.049,10.391 -2.034,10.441 -2.022,10.492 -2.012,10.544 -2.005,10.595 -2.001,10.648 -2,10.7 -2.001,10.752 -2.005,10.805 -2.012,10.856 -2.022,10.908 -2.034,10.959 -2.049,11.009 -2.066,11.058 -2.086,11.107 -2.109,11.154 -2.134,11.2 -2.161,11.245 -2.191,11.288 -2.223,11.329 -2.257,11.369 -2.293,11.407 -2.331,11.443 -2.371,11.477 -2.412,11.509 -2.455,11.539 -2.5,11.566 -2.546,11.591 -2.593,11.614 -2.642,11.634 -2.691,11.651 -2.741,11.666 -2.792,11.678 -2.844,11.688 -2.895,11.695 -2.948,11.699 -3,11.7 -5,11.7 -5,13.7 -3,13.7
  Bottom Layer region: 7.157,13.696 7.314,13.684 7.469,13.663 7.624,13.634 7.776,13.598 7.927,13.553 8.075,13.501 8.22,13.441 8.362,13.373 8.5,13.298 8.634,13.216 8.763,13.127 8.888,13.031 9.007,12.929 9.121,12.821 9.229,12.707 9.331,12.588 9.427,12.463 9.516,12.334 9.598,12.2 9.673,12.062 9.741,11.92 9.801,11.775 9.853,11.627 9.898,11.476 9.934,11.324 9.963,11.169 9.984,11.014 9.996,10.857 10,10.7 9.996,10.543 9.984,10.386 9.963,10.231 9.934,10.076 9.898,9.924 9.853,9.773 9.801,9.625 9.741,9.48 9.673,9.338 9.598,9.2 9.516,9.066 9.427,8.937 9.331,8.812 9.229,8.693 9.121,8.579 9.007,8.471 8.888,8.369 8.763,8.273 8.634,8.184 8.5,8.102 8.362,8.027 8.22,7.959 8.075,7.899 7.927,7.847 7.776,7.802 7.624,7.766 7.469,7.737 7.314,7.716 7.157,7.704 7,7.7 5,7.7 5,9.7 7,9.7 7.052,9.701 7.105,9.705 7.156,9.712 7.208,9.722 7.259,9.734 7.309,9.749 7.358,9.766 7.407,9.786 7.454,9.809 7.5,9.834 7.545,9.861 7.588,9.891 7.629,9.923 7.669,9.957 7.707,9.993 7.743,10.031 7.777,10.071 7.809,10.112 7.839,10.155 7.866,10.2 7.891,10.246 7.914,10.293 7.934,10.342 7.951,10.391 7.966,10.441 7.978,10.492 7.988,10.544 7.995,10.595 7.999,10.648 8,10.7 7.999,10.752 7.995,10.805 7.988,10.856 7.978,10.908 7.966,10.959 7.951,11.009 7.934,11.058 7.914,11.107 7.891,11.154 7.866,11.2 7.839,11.245 7.809,11.288 7.777,11.329 7.743,11.369 7.707,11.407 7.669,11.443 7.629,11.477 7.588,11.509 7.545,11.539 7.5,11.566 7.454,11.591 7.407,11.614 7.358,11.634 7.309,11.651 7.259,11.666 7.208,11.678 7.156,11.688 7.105,11.695 7.052,11.699 7,11.7 5,11.7 5,13.7 7,13.7
  Bottom Layer region: 5,11.7 3,11.7 2.948,11.699 2.895,11.695 2.844,11.688 2.792,11.678 2.741,11.666 2.691,11.651 2.642,11.634 2.593,11.614 2.546,11.591 2.5,11.566 2.455,11.539 2.412,11.509 2.371,11.477 2.331,11.443 2.293,11.407 2.257,11.369 2.223,11.329 2.191,11.288 2.161,11.245 2.134,11.2 2.109,11.154 2.086,11.107 2.066,11.058 2.049,11.009 2.034,10.959 2.022,10.908 2.012,10.856 2.005,10.805 2.001,10.752 2,10.7 2.001,10.648 2.005,10.595 2.012,10.544 2.022,10.492 2.034,10.441 2.049,10.391 2.066,10.342 2.086,10.293 2.109,10.246 2.134,10.2 2.161,10.155 2.191,10.112 2.223,10.071 2.257,10.031 2.293,9.993 2.331,9.957 2.371,9.923 2.412,9.891 2.455,9.861 2.5,9.834 2.546,9.809 2.593,9.786 2.642,9.766 2.691,9.749 2.741,9.734 2.792,9.722 2.844,9.712 2.895,9.705 2.948,9.701 3,9.7 5,9.7 5,7.7 3,7.7 2.911,7.7 2.812,7.703 2.714,7.71 2.616,7.72 2.518,7.733 2.421,7.75 2.324,7.769 2.228,7.792 2.133,7.819 2.039,7.848 1.945,7.881 1.853,7.917 1.763,7.955 1.673,7.997 1.585,8.042 1.499,8.09 1.414,8.141 1.331,8.194 1.25,8.25 1.171,8.309 1.094,8.371 1.019,8.435 0.946,8.502 0.876,8.571 0.808,8.642 0.742,8.716 0.679,8.792 0.618,8.87 0.56,8.95 0.5,9.04 0.5,12.36 0.56,12.45 0.618,12.53 0.679,12.608 0.742,12.684 0.808,12.758 0.876,12.829 0.946,12.898 1.019,12.965 1.094,13.029 1.171,13.091 1.25,13.15 1.331,13.206 1.414,13.259 1.499,13.31 1.585,13.358 1.673,13.403 1.763,13.445 1.853,13.483 1.945,13.519 2.039,13.552 2.133,13.581 2.228,13.608 2.324,13.631 2.421,13.65 2.518,13.667 2.616,13.68 2.714,13.69 2.812,13.697 2.911,13.7 3,13.7 5,13.7
  silkscreen extent -5,-12.32 5,5.45